# Altium PCB PROC114E3_BRD.PcbDoc (part 2 of 18)
Units mm, origin at the board's own origin, x right, y up, seen from the top; angles counter-clockwise.
Board outline 85 x 155.18 mm, 10 copper layers (TOP, L02_GND1, L03_SIG1, L04_GND2, L05_PWR1, L06_PWR2, L07_GND3, L08_SIG2, L09_GND4, BOTTOM), stack 1.134 mm thick; 1389 components, 1010 nets, 5137 pads, 3263 vias.
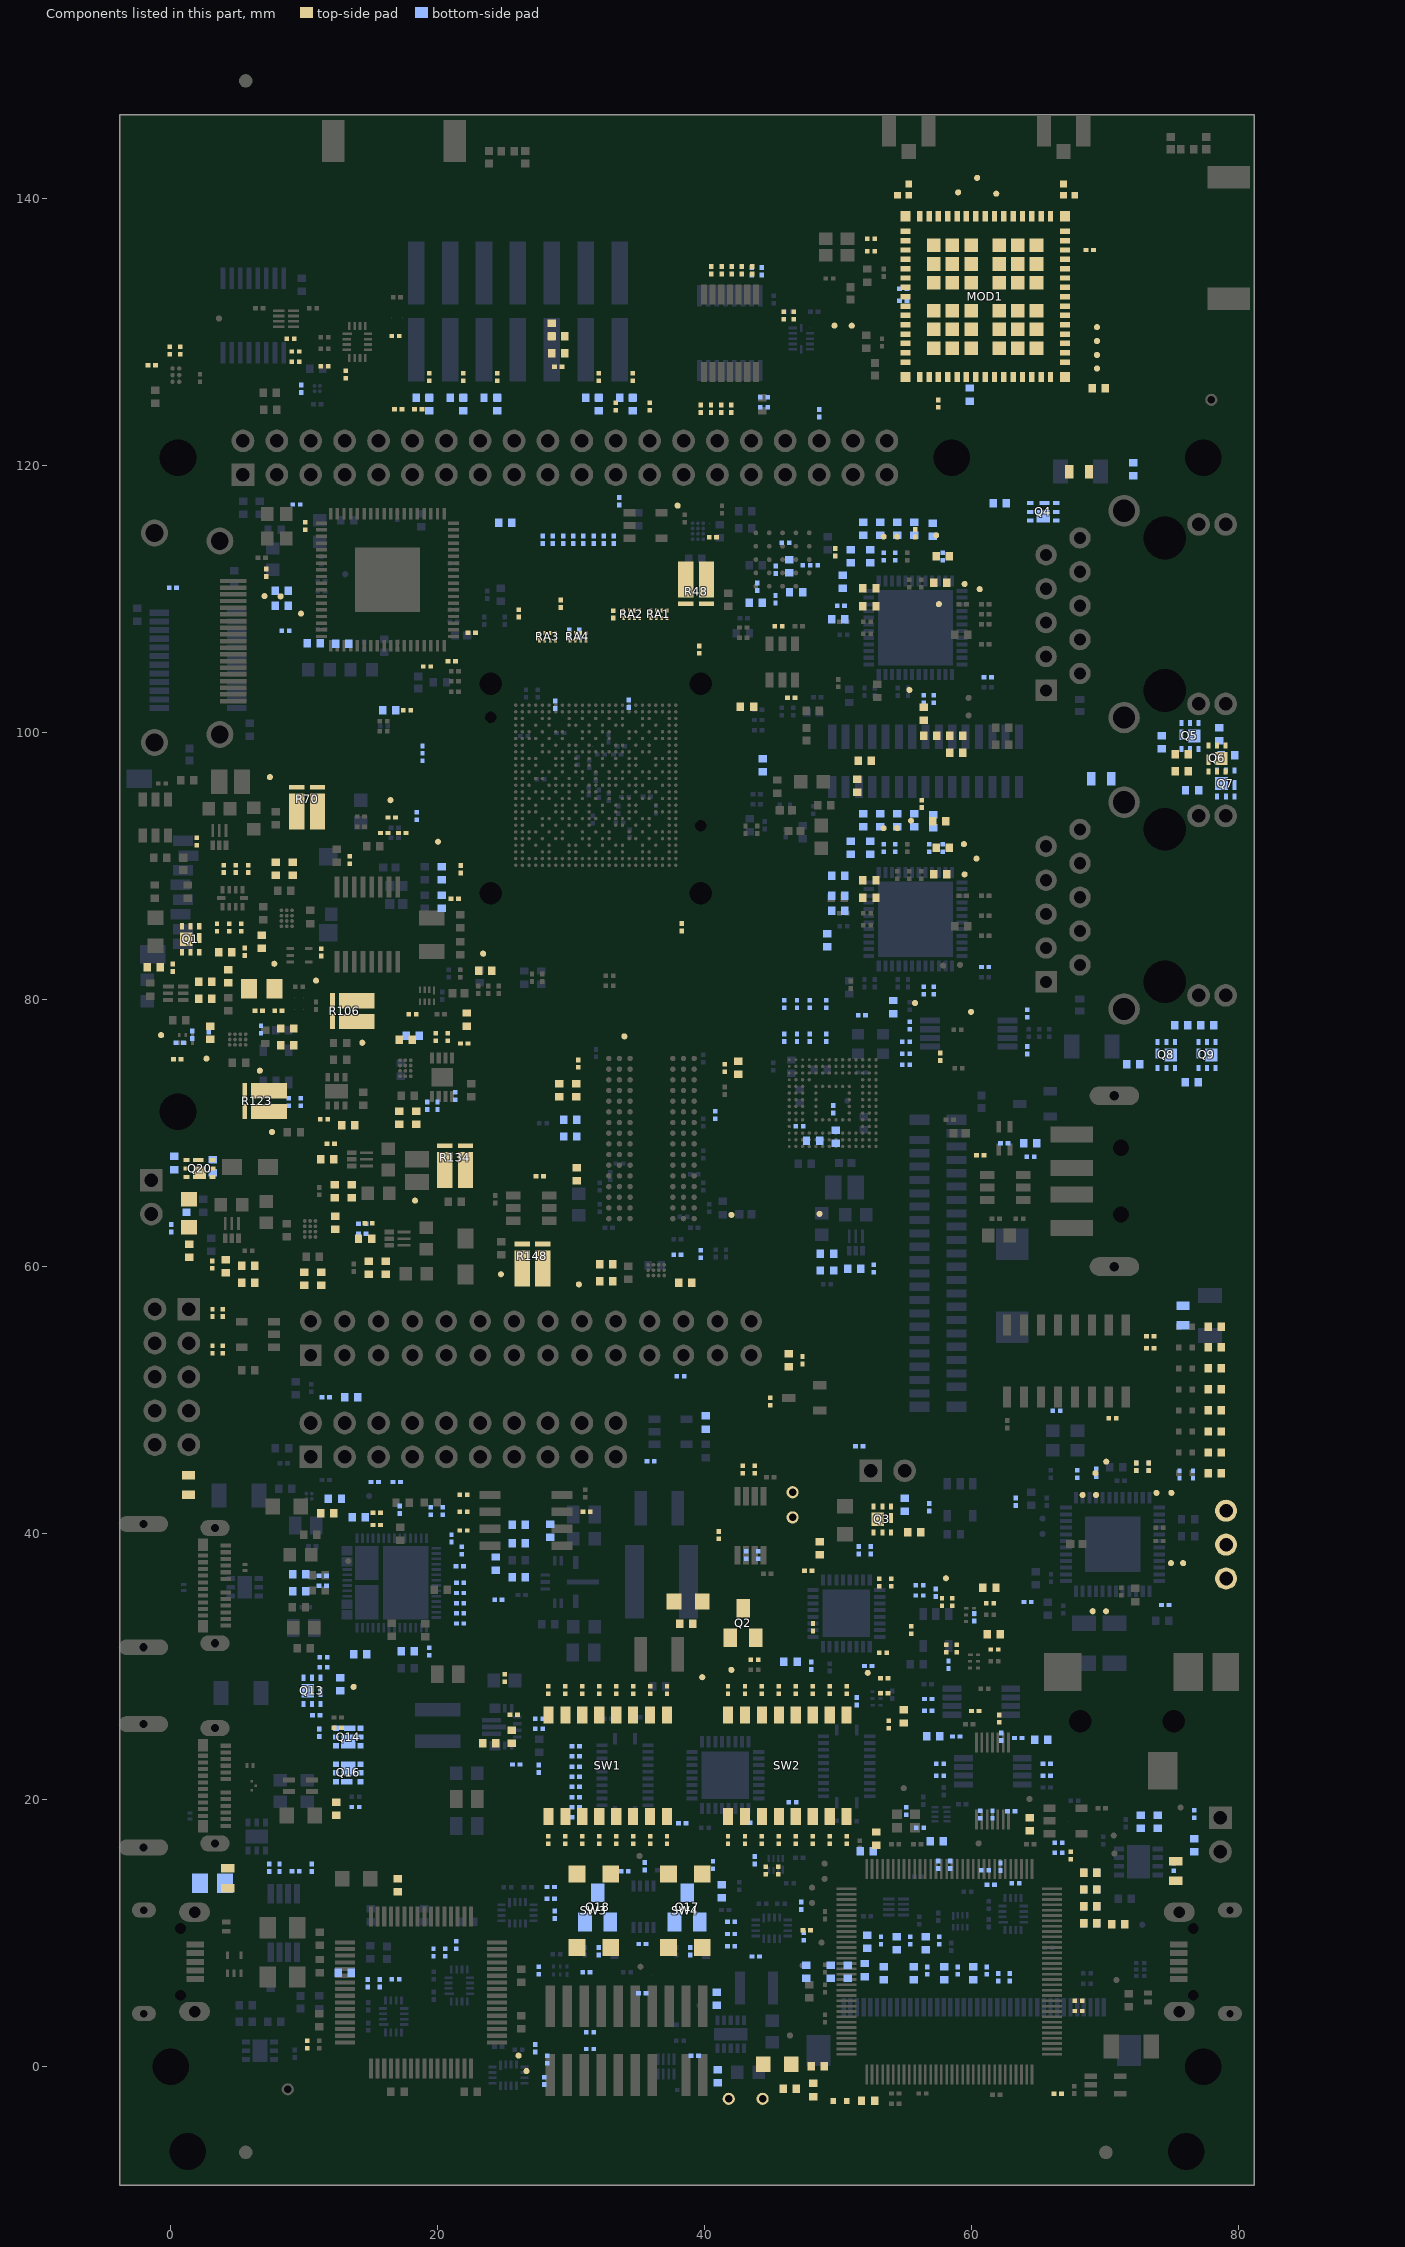
[diagram p10: the components of this part, seen from the top]

## Components (designator, comment, footprint, x,y, rotation, side; value= is the part's Value field where it differs from the comment) (continued)
LD14 "DIODE_LED_LED_150080VS75000_80X" LED_150080VS75000_80X50_SMD_0-8 45.461,0.187 r0 top
LD15 "DIODE_LED_LED_150040GS73220_40X" LED_150040GS73220_40X20_SMD_0-4 50.161,-2.556 r0 top
LD16 "DIODE_LED_LED_150080VS75000_80X" LED_150080VS75000_80X50_SMD_0-8 38.774,34.859 r0 top
LD17 "DIODE_LED_LED_150080VS75000_80X" LED_150080VS75000_80X50_SMD_0-8 1.389,63.953 r270 top
MOD1 "MODULE_WL1837_MOD100_WL1831M_53" MOD100_WL1831M_530X530 61.041,132.654 r180 top
Q1 "MOSFET_CSD17313Q2_WSON6_CSD1320" WSON6_CSD13202Q2_80X80_0-8 1.492,84.5 r90 top
Q2 "MOSFET_IRLML6401TR_TO_SOT23-123" TO_SOT23-123#1 42.902,33.252 r0 top
Q3 "MOSFET_CSD17313Q2_WSON6_CSD1320" WSON6_CSD13202Q2_80X80_0-8 53.334,41.026 r90 top
Q4 "MOSFET_CSD17313Q2_WSON6_CSD1320" WSON6_CSD13202Q2_80X80_0-8 65.393,116.535 r0 bottom
Q5 "MOSFET_CSD17313Q2_WSON6_CSD1320" WSON6_CSD13202Q2_80X80_0-8 76.392,99.736 r90 bottom
Q6 "MOSFET_CSD17313Q2_WSON6_CSD1320" WSON6_CSD13202Q2_80X80_0-8 78.419,98.048 r270 top
Q7 "MOSFET_CSD17313Q2_WSON6_CSD1320" WSON6_CSD13202Q2_80X80_0-8 79.08,96.162 r270 bottom
Q8 "MOSFET_CSD17313Q2_WSON6_CSD1320" WSON6_CSD13202Q2_80X80_0-8 74.617,75.831 r90 bottom
Q9 "MOSFET_CSD17313Q2_WSON6_CSD1320" WSON6_CSD13202Q2_80X80_0-8 77.665,75.831 r90 bottom
Q13 "MOSFET_CSD17313Q2_WSON6_CSD1320" WSON6_CSD13202Q2_80X80_0-8 10.592,28.175 r270 bottom
Q14 "MOSFET_CSD25310Q2_SON6_CSD17313" SON6_CSD17313Q2_80X80 13.31,24.711 r90 bottom
Q16 "MOSFET_CSD25310Q2_SON6_CSD17313" SON6_CSD17313Q2_80X80 13.31,22.018 r270 bottom
Q17 "MOSFET_IRLML6401TR_TO_SOT23-123" TO_SOT23-123#2 38.708,11.948 r0 bottom
Q18 "MOSFET_IRLML6401TR_TO_SOT23-123" TO_SOT23-123#2 32.003,11.948 r0 bottom
Q20 "MOSFET_CSD17313Q2_WSON6_CSD1320" WSON6_CSD13202Q2_80X80_0-8 2.169,67.318 r180 top
R1 "RESISTOR_RES0402_0-5_0E" RES0402_0-5#1 55.317,140.677 r90 top
R2 "RESISTOR_RES0402_0-5_0E" RES0402_0-5#1 66.922,140.677 r90 top
R3 "RESISTOR_RES0402_0-5_0E" RES0402_0-5#1 54.897,140.257 r0 top
R4 "RESISTOR_RES0402_0-5_0E" RES0402_0-5#1 67.343,140.257 r0 top
R5 "RESISTOR_RES0201_0-5_22E_1%" RES0201_0-5#1 52.49,136.992 r0 top
R6 "RESISTOR_RES0201_0-5_10K_1%" RES0201_0-5#1 68.873,136.154 r0 top
R7 "RESISTOR_RES0201_0-5_0E" RES0201_0-5#1 52.49,136.053 r0 top
R8 "RESISTOR_RES0402_0-5_0E" RES0402_0-5#2 29.054,129.692 r180 top
R9 "RESISTOR_RES0402_0-5_0E" RES0402_0-5#2 28.564,130.182 r90 top
R10 "RESISTOR_RES0201_0-5_10K_1%" RES0201_0-5#1 29.054,127.406 r0 top
R11 "RESISTOR_RES0201_0-5_10K" RES0201_0-5#1 8.987,129.492 r180 top
R12 "RESISTOR_RES0402_0-5_49.9K_1%" RES0402_0-5#2 29.054,128.422 r0 top
R13 "RESISTOR_RES0201_0-5_4.7K" RES0201_0-5#1 0.711,128.621 r90 top
R14 "RESISTOR_RES0201_0-5_100K_1%" RES0201_0-5#1 -0.057,128.617 r270 top
R15 "RESISTOR_RES0201_0-5_0E" RES0201_0-5#1 -1.422,127.529 r0 top
R16 "RESISTOR_RES0201_0-5_10K" RES0201_0-5#1 11.524,127.43 r0 top
R17 "RESISTOR_RES0201_0-5_10K" RES0201_0-5#1 13.12,126.832 r270 top
R18 "RESISTOR_RES0201_0-5_10K_1%" RES0201_0-5#1 19.384,126.637 r90 top
R19 "RESISTOR_RES0201_0-5_10K_1%" RES0201_0-5#1 21.924,126.637 r90 top
R20 "RESISTOR_RES0201_0-5_10K_1%" RES0201_0-5#1 24.464,126.637 r90 top
R21 "RESISTOR_RES0201_0-5_10K_1%" RES0201_0-5#1 32.084,126.637 r90 top
R22 "RESISTOR_RES0201_0-5_10K_1%" RES0201_0-5#1 34.624,126.637 r90 top
R23 "RESISTOR_RES0402_0-5_0E" RES0402_0-5#2 69.565,125.791 r180 top
R24 "RESISTOR_RES0201_0-5_33E" RES0201_0-5#1 57.54,124.641 r270 top
R25 "RESISTOR_RES0201_0-5_10K" RES0201_0-5#1 33.357,124.433 r270 top
R26 "RESISTOR_RES0201_0-5_10K" RES0201_0-5#1 35.897,124.433 r270 top
R27 "RESISTOR_RES0201_0-5_10K" RES0201_0-5#1 18.556,124.216 r180 top
R28 "RESISTOR_RES0201_0-5_10K" RES0201_0-5#1 17.054,124.214 r180 top
R29 "RESISTOR_RES0603_0-75_0E" RES0603_0-75#1 68.084,119.543 r180 top
R30 "RESISTOR_RES0201_0-5_4.7K" RES0201_0-5#2 44.474,125.121 r0 bottom
R31 "RESISTOR_RES0201_0-5_4.7K" RES0201_0-5#2 44.474,124.359 r0 bottom
R32 "RESISTOR_RES0201_0-5_0E" RES0201_0-5#1 22.562,107.473 r0 top
R33 "RESISTOR_RES0402_0-5_10E_1%" RES0402_0-5#2 38.688,111.359 r270 bottom
R34 "RESISTOR_RES0201_0-5_0E" RES0201_0-5#1 10.087,115.47 r270 top
R35 "RESISTOR_RES0201_0-5_10K" RES0201_0-5#1 55.805,114.92 r90 top
R36 "RESISTOR_RES0201_0-5_0E" RES0201_0-5#1 40.635,114.629 r180 top
R37 "RESISTOR_RES0402_0-5_10E_1%" RES0402_0-5#2 39.958,111.359 r270 bottom
R38 "RESISTOR_RES0402_0-5_2.49K_1%" RES0402_0-5#2 57.856,113.19 r0 top
R39 "RESISTOR_RES0201_0-5_0E" RES0201_0-5#1 28.818,102.069 r270 bottom
R41 "RESISTOR_RES0201_0-5_10K_1%" RES0201_0-5#1 7.177,111.973 r90 top
R47 "RESISTOR_RES0402_0-5_2.49K_1%" RES0402_0-5#2 57.681,111.215 r0 top
R48 "RESISTOR-4TERM_RES_KRL3216T4_12" RES_KRL3216T4_1206-4_0-7 39.384,111.135 r180 top
R49 "RESISTOR_RES0402_0-5_2.49K_1%" RES0402_0-5#2 52.371,110.799 r180 top
R52 "RESISTOR_RES0201_0-5_0E" RES0201_0-5#1 29.228,109.646 r270 top
R53 "RESISTOR_RES0201_0-5_0E" RES0201_0-5#1 48.216,112.526 r0 bottom
R54 "RESISTOR_RES0402_0-5_2.49K_1%" RES0402_0-5#2 52.371,109.46 r180 top
R55 "RESISTOR_RES0201_0-5_0E" RES0201_0-5#1 30.625,107.396 r270 bottom
R56 "RESISTOR_RES0201_0-5_0E" RES0201_0-5#1 33.166,108.848 r270 top
R57 "RESISTOR_RES0201_0-5_0E" RES0201_0-5#1 26.09,108.923 r90 top
R58 "RESISTOR_RES0201_0-5_10K" RES0201_0-5#1 45.56,107.96 r180 top
R60 "RESISTOR_RES0201_0-5_0E" RES0201_0-5#1 39.628,106.207 r90 top
R61 "RESISTOR_RES0201_0-5_4.7K" RES0201_0-5#1 21.071,105.344 r180 top
R62 "RESISTOR_RES0201_0-5_0E" RES0201_0-5#1 19.215,104.938 r0 top
R63 "RESISTOR_RES0201_0-5_10K" RES0201_0-5#1 46.51,102.603 r180 top
R64 "RESISTOR_RES0402_0-5_0E" RES0402_0-5#2 56.925,99.757 r0 top
R65 "RESISTOR_RES0402_0-5_0E" RES0402_0-5#2 43.194,101.915 r0 top
R66 "RESISTOR_RES0201_0-5_0E" RES0201_0-5#1 17.718,101.648 r0 top
R67 "RESISTOR_RES0402_0-5_499E_0.1%" RES0402_0-5#2 52.029,97.864 r0 top
R68 "RESISTOR_RES0402_0-5_499E_0.1%" RES0402_0-5#2 51.449,95.997 r90 top
R69 "RESISTOR_RES0402_0-5_499E_0.1%" RES0402_0-5#2 44.364,97.547 r270 bottom
R70 "RESISTOR-4TERM_RES_KRL3216T4_12" RES_KRL3216T4_1206-4_0-7 10.225,94.4 r0 top
R71 "RESISTOR_RES0201_0-5_4.7K" RES0201_0-5#1 16.575,93.628 r0 top
R72 "RESISTOR_RES0402_0-5_0E" RES0402_0-5#2 57.59,93.355 r180 top
R73 "RESISTOR_RES0201_0-5_4.7K" RES0201_0-5#1 16.015,92.46 r0 top
R74 "RESISTOR_RES0201_0-5_33E" RES0201_0-5#1 17.362,92.46 r180 top
R75 "RESISTOR_RES0201_0-5_0E" RES0201_0-5#1 1.97,91.821 r270 top
R76 "RESISTOR_RES0402_0-5_2.49K_1%" RES0402_0-5#2 57.856,91.346 r0 top
R77 "RESISTOR_RES0201_0-5_10K" RES0201_0-5#1 13.425,90.434 r90 top
R78 "RESISTOR_RES0402_0-5_10E_1%" RES0402_0-5#2 7.875,89.794 r90 top
R79 "RESISTOR_RES0402_0-5_10E_1%" RES0402_0-5#2 9.145,89.794 r90 top
R80 "RESISTOR_RES0201_0-5_10K" RES0201_0-5#1 3.972,89.774 r90 top
R81 "RESISTOR_RES0201_0-5_10K" RES0201_0-5#1 4.887,89.774 r90 top
R82 "RESISTOR_RES0201_0-5_10K" RES0201_0-5#1 5.801,89.774 r90 top
R83 "RESISTOR_RES0201_0-5_0E" RES0201_0-5#1 21.751,89.747 r90 top
R84 "RESISTOR_RES0402_0-5_2.49K_1%" RES0402_0-5#2 57.681,89.371 r0 top
R85 "RESISTOR_RES0402_0-5_2.49K_1%" RES0402_0-5#2 52.371,88.923 r180 top
R86 "RESISTOR_RES0402_0-5_2.49K_1%" RES0402_0-5#2 52.371,87.616 r180 top
R87 "RESISTOR_RES0201_0-5_0E" RES0201_0-5#1 21.287,87.533 r180 top
R88 "RESISTOR_RES0402_0-5_220E" RES0402_0-5#2 -1.255,82.392 r0 top
R89 "RESISTOR_RES0201_0-5_22E_1%" RES0201_0-5#1 38.292,85.405 r90 top
R90 "RESISTOR_RES0201_0-5_10K" RES0201_0-5#1 3.472,85.379 r270 top
R91 "RESISTOR_RES0201_0-5_10K" RES0201_0-5#1 4.387,85.379 r270 top
R92 "RESISTOR_RES0201_0-5_10K" RES0201_0-5#1 5.301,85.379 r270 top
R93 "RESISTOR_RES0402_0-5_0E" RES0402_0-5#2 6.836,84.325 r270 top
R94 "RESISTOR_RES0201_0-5_10K" RES0201_0-5#1 5.55,83.563 r270 top
R95 "RESISTOR_RES0402_0-5_0E" RES0402_0-5#2 4.098,83.525 r180 top
R96 "RESISTOR_RES0201_0-5_10K" RES0201_0-5#1 11.292,83.517 r270 top
R97 "RESISTOR_RES0201_0-5_10K" RES0201_0-5#1 0.168,82.361 r270 top
R98 "RESISTOR_RES0402_0-5_240E_1%" RES0402_0-5#2 23.585,82.128 r180 top
R99 "RESISTOR_RES0402_0-5_1K_1%" RES0402_0-5#2 4.332,81.722 r90 top
R100 "RESISTOR_RES0402_0-5_0E" RES0402_0-5#2 2.605,81.316 r0 top
R101 "RESISTOR_RES0805_0-75_0E" RES0805_0-75#1 6.824,80.8 r0 top
R102 "RESISTOR_RES0402_0-5_0E" RES0402_0-5#2 58.875,98.487 r180 top
R103 "RESISTOR_RES0402_0-5_0E" RES0402_0-5#2 2.605,80.046 r0 top
R104 "RESISTOR_RES0201_0-5_10K" RES0201_0-5#1 6.603,79.155 r180 top
R105 "RESISTOR_RES0201_0-5_0E" RES0201_0-5#1 8.072,79.155 r0 top
R106 "RESISTOR-4TERM_RES_KRL3216T4_12" RES_KRL3216T4_1206-4_0-7 13.618,79.109 r90 top
R107 "RESISTOR_RES0201_0-5_10K" RES0201_0-5#1 18.123,78.883 r0 top
R108 "RESISTOR_RES0402_0-5_11K_1%" RES0402_0-5#2 22.173,78.484 r270 top
R109 "RESISTOR_RES0402_0-5_10E_1%" RES0402_0-5#2 8.748,77.811 r0 top
R110 "RESISTOR_RES0402_0-5_0E" RES0402_0-5#2 2.968,77.497 r270 top
R111 "RESISTOR_RES0201_0-5_10K" RES0201_0-5#1 19.871,77.177 r90 top
R112 "RESISTOR_RES0201_0-5_10K" RES0201_0-5#1 20.76,77.177 r90 top
R113 "RESISTOR_RES0402_0-5_0E" RES0402_0-5#2 17.62,76.967 r180 top
R114 "RESISTOR_RES0201_0-5_10K" RES0201_0-5#1 22,76.686 r180 top
R115 "RESISTOR_RES0402_0-5_10E_1%" RES0402_0-5#2 8.748,76.541 r0 top
R116 "RESISTOR_RES0201_0-5_0E" RES0201_0-5#1 57.668,75.688 r90 top
R117 "RESISTOR_RES0201_0-5_10K" RES0201_0-5#1 0.5,75.518 r0 top
R118 "RESISTOR_RES0201_0-5_10K" RES0201_0-5#1 30.547,75.179 r90 top
R119 "RESISTOR_RES0201_0-5_2.2K" RES0201_0-5#1 41.52,74.856 r90 top
R120 "RESISTOR_RES0402_0-5_2.2K" RES0402_0-5#2 42.536,74.856 r270 top
R121 "RESISTOR_RES0402_0-5_1K_1%" RES0402_0-5#2 29.119,73.178 r270 top
R122 "RESISTOR_RES0402_0-5_1K_1%" RES0402_0-5#2 30.389,73.178 r90 top
R123 "RESISTOR-4TERM_RES_KRL3216T4_12" RES_KRL3216T4_1206-4_0-7 7.057,72.366 r90 top
R124 "RESISTOR_RES0402_0-5_10E_1%" RES0402_0-5#2 17.147,71.11 r270 top
R125 "RESISTOR_RES0402_0-5_10E_1%" RES0402_0-5#2 18.417,71.11 r270 top
R126 "RESISTOR_RES0201_0-5_0E" RES0201_0-5#1 11.495,71.005 r0 top
R127 "RESISTOR_RES0402_0-5_100K_1%" RES0402_0-5#2 13.298,70.571 r0 top
R129 "RESISTOR_RES0402_0-5_41.2K_1%" RES0402_0-5#2 5.829,60.024 r180 top
R130 "RESISTOR_RES0201_0-5_0E" RES0201_0-5#1 12.003,69.174 r0 top
R132 "RESISTOR_RES0402_0-5_100K_1%" RES0402_0-5#2 11.749,68.006 r180 top
R133 "RESISTOR_RES0402_0-5_100K_1%" RES0402_0-5#2 5.829,58.754 r0 top
R134 "RESISTOR-4TERM_RES_KRL3216T4_12" RES_KRL3216T4_1206-4_0-7 21.325,67.523 r0 top
R135 "RESISTOR_RES0402_0-5_240E_1%" RES0402_0-5#2 30.42,66.899 r270 top
R136 "RESISTOR_RES0402_0-5_100K_1%" RES0402_0-5#2 12.297,65.618 r90 top
R137 "RESISTOR_RES0402_0-5_100K_1%" RES0402_0-5#2 13.567,65.618 r270 top
R140 "RESISTOR_RES0201_0-5_10K" RES0201_0-5#1 27.659,66.737 r180 top
R141 "RESISTOR_RES0201_0-5_0E" RES0201_0-5#1 3.129,60.116 r90 top
R142 "RESISTOR_RES0402_0-5_100K_1%" RES0402_0-5#2 4.145,59.991 r270 top
R143 "RESISTOR_RES0201_0-5_0E" RES0201_0-5#1 14.822,63.231 r0 top
R144 "RESISTOR_RES0402_0-5_100K_1%" RES0402_0-5#2 14.568,62.062 r180 top
R145 "RESISTOR_RES0402_0-5_10E_1%" RES0402_0-5#2 10.006,59.063 r270 top
R146 "RESISTOR_RES0402_0-5_0E" RES0402_0-5#2 12.324,63.242 r270 top
R147 "RESISTOR_RES0402_0-5_10E_1%" RES0402_0-5#2 11.276,59.063 r270 top
R148 "RESISTOR-4TERM_RES_KRL3216T4_12" RES_KRL3216T4_1206-4_0-7 27.116,60.157 r0 top
R149 "RESISTOR_RES0402_0-5_10E_1%" RES0402_0-5#2 32.658,60.144 r180 top
R150 "RESISTOR_RES0402_0-5_41.2K_1%" RES0402_0-5#2 14.863,59.878 r90 top
R151 "RESISTOR_RES0402_0-5_100K_1%" RES0402_0-5#2 16.133,59.878 r270 top
R152 "RESISTOR_RES0201_0-5_3.4K_1%" RES0201_0-5#1 44.948,49.85 r270 top
R153 "RESISTOR_RES0402_0-5_16.5K_1%" RES0402_0-5#2 46.338,52.946 r270 top
R154 "RESISTOR_RES0402_0-5_0E" RES0402_0-5#2 38.571,58.76 r0 top
R155 "RESISTOR_RES0402_0-5_10E_1%" RES0402_0-5#2 32.658,58.874 r180 top
R156 "RESISTOR_RES0201_0-5_10K_1%" RES0201_0-5#1 47.354,52.946 r270 top
R157 "RESISTOR_RES0201_0-5_0E" RES0201_0-5#1 3.138,56.499 r90 top
R158 "RESISTOR_RES0201_0-5_0E" RES0201_0-5#1 3.9,56.499 r90 top
R159 "RESISTOR_RES0402_0-5_220E" RES0402_0-5#2 78.246,55.458 r180 top
R160 "RESISTOR_RES0201_0-5_10K" RES0201_0-5#1 73.407,54.747 r0 top
R161 "RESISTOR_RES0402_0-5_220E" RES0402_0-5#2 78.246,53.909 r180 top
R162 "RESISTOR_RES0201_0-5_10K" RES0201_0-5#1 73.407,53.858 r0 top
R163 "RESISTOR_RES0201_0-5_0E" RES0201_0-5#1 3.138,53.757 r90 top
R164 "RESISTOR_RES0201_0-5_0E" RES0201_0-5#1 3.9,53.757 r90 top
R165 "RESISTOR_RES0201_0-5_4.7K" RES0201_0-5#1 55.503,32.724 r270 top
R166 "RESISTOR_RES0402_0-5_220E" RES0402_0-5#2 78.246,52.334 r180 top
R167 "RESISTOR_RES0402_0-5_220E" RES0402_0-5#2 78.246,50.759 r180 top
R168 "RESISTOR_RES0402_0-5_220E" RES0402_0-5#2 78.246,49.185 r180 top
R169 "RESISTOR_RES0201_0-5_10K" RES0201_0-5#1 70.588,48.588 r0 top
R170 "RESISTOR_RES0402_0-5_220E" RES0402_0-5#2 78.246,47.61 r180 top
R171 "RESISTOR_RES0402_0-5_220E" RES0402_0-5#2 78.246,46.035 r180 top
R172 "RESISTOR_RES0201_0-5_10K" RES0201_0-5#1 72.379,44.968 r90 top
R173 "RESISTOR_RES0201_0-5_10K" RES0201_0-5#1 73.293,44.968 r90 top
R175 "RESISTOR_RES0402_0-5_220E" RES0402_0-5#2 78.246,44.486 r180 top
R176 "RESISTOR_RES0201_0-5_10K" RES0201_0-5#1 9.353,128.551 r0 top
R177 "RESISTOR_RES0201_0-5_10K" RES0201_0-5#1 21.939,42.86 r0 top
R178 "RESISTOR_RES0603_0-75_0E" RES0603_0-75#1 1.335,43.597 r90 top
R179 "RESISTOR_RES0201_0-5_10K" RES0201_0-5#1 21.939,41.59 r0 top
R180 "RESISTOR_RES0201_0-5_10K" RES0201_0-5#1 31.175,41.59 r180 top
R181 "RESISTOR_RES0201_0-5_10K" RES0201_0-5#1 15.45,41.514 r0 top
R182 "RESISTOR_RES0402_0-5_1K_1%" RES0402_0-5#2 11.736,41.488 r180 top
R184 "RESISTOR_RES0201_0-5_10K" RES0201_0-5#1 15.45,40.599 r0 top
R185 "RESISTOR_RES0201_0-5_10K" RES0201_0-5#1 21.939,40.193 r0 top
R187 "RESISTOR_RES0201_0-5_10K" RES0201_0-5#1 47.782,37.159 r0 top
R188 "RESISTOR_RES0402_0-5_220E" RES0402_0-5#2 48.642,38.865 r270 top
R189 "RESISTOR_RES0402_0-5_0E" RES0402_0-5#2 61.365,35.894 r180 top
R190 "RESISTOR_RES0201_0-5_10K" RES0201_0-5#1 57.809,34.827 r90 top
R191 "RESISTOR_RES0201_0-5_10K" RES0201_0-5#1 58.571,34.827 r90 top
R192 "RESISTOR_RES0201_0-5_10K" RES0201_0-5#1 61.412,34.751 r0 top
R193 "RESISTOR_RES0201_0-5_10K" RES0201_0-5#1 48.142,32.942 r270 top
R194 "RESISTOR_RES0402_0-5_0E" RES0402_0-5#2 61.694,32.414 r180 top
R195 "RESISTOR_RES0201_0-5_10K" RES0201_0-5#1 58.138,31.347 r90 top
R196 "RESISTOR_RES0201_0-5_10K" RES0201_0-5#1 58.9,31.347 r90 top
R197 "RESISTOR_RES0201_0-5_10K" RES0201_0-5#1 61.741,31.271 r0 top
R198 "RESISTOR_RES0402_0-5_0E" RES0402_0-5#2 55.73,40.051 r180 top
R199 "RESISTOR_RES0201_0-5_10K" RES0201_0-5#1 53.393,31.034 r0 top
R200 "RESISTOR_RES0201_0-5_10K" RES0201_0-5#1 43.752,30.51 r180 top
R201 "RESISTOR_RES0201_0-5_4.7K" RES0201_0-5#1 53.482,29.128 r0 top
R202 "RESISTOR_RES0201_0-5_100K_1%" RES0201_0-5#1 37.2,28.23 r90 top
R203 "RESISTOR_RES0201_0-5_100K_1%" RES0201_0-5#1 35.93,28.23 r90 top
R204 "RESISTOR_RES0201_0-5_100K_1%" RES0201_0-5#1 34.66,28.23 r90 top
R205 "RESISTOR_RES0201_0-5_100K_1%" RES0201_0-5#1 33.39,28.23 r90 top
R206 "RESISTOR_RES0201_0-5_100K_1%" RES0201_0-5#1 32.12,28.23 r90 top
R207 "RESISTOR_RES0201_0-5_100K_1%" RES0201_0-5#1 30.85,28.23 r90 top
R208 "RESISTOR_RES0201_0-5_100K_1%" RES0201_0-5#1 29.58,28.23 r90 top
R209 "RESISTOR_RES0201_0-5_100K_1%" RES0201_0-5#1 28.31,28.23 r90 top
R210 "RESISTOR_RES0201_0-5_100K_1%" RES0201_0-5#1 50.662,28.23 r90 top
R211 "RESISTOR_RES0201_0-5_100K_1%" RES0201_0-5#1 49.392,28.23 r90 top
R212 "RESISTOR_RES0201_0-5_100K_1%" RES0201_0-5#1 48.122,28.23 r90 top
R213 "RESISTOR_RES0201_0-5_100K_1%" RES0201_0-5#1 46.852,28.23 r90 top
R214 "RESISTOR_RES0201_0-5_100K_1%" RES0201_0-5#1 45.582,28.23 r90 top
R215 "RESISTOR_RES0201_0-5_100K_1%" RES0201_0-5#1 44.312,28.23 r90 top
R216 "RESISTOR_RES0201_0-5_100K_1%" RES0201_0-5#1 43.042,28.23 r90 top
R217 "RESISTOR_RES0201_0-5_100K_1%" RES0201_0-5#1 41.772,28.23 r90 top
R218 "RESISTOR_RES0201_0-5_10K" RES0201_0-5#1 41.089,39.842 r270 top
R219 "RESISTOR_RES0603_0-75_0E" RES0603_0-75#1 4.281,14.133 r270 top
R220 "RESISTOR_RES0201_0-5_10K" RES0201_0-5#1 53.482,28.007 r180 top
R221 "RESISTOR_RES0201_0-5_0E" RES0201_0-5#1 53.828,25.644 r90 top
R222 "RESISTOR_RES0402_0-5_0E" RES0402_0-5#2 54.924,26.252 r90 top
R223 "RESISTOR_RES0201_0-5_10K_1%" RES0201_0-5#1 12.524,25.41 r180 top
R224 "RESISTOR_RES0201_0-5_0E" RES0201_0-5#1 62.253,24.729 r270 bottom
R225 "RESISTOR_RES0201_0-5_0E" RES0201_0-5#1 60.679,18.905 r270 bottom
R226 "RESISTOR_RES0201_0-5_0E" RES0201_0-5#1 61.594,18.905 r270 bottom
R227 "RESISTOR_RES0402_0-5_1K_1%" RES0402_0-5#2 12.404,19.327 r270 top
R228 "RESISTOR_RES0402_0-5_49.9E_1%" RES0402_0-5#2 64.387,18.186 r90 top
R229 "RESISTOR_RES0201_0-5_0E" RES0201_0-5#1 60.296,26.665 r180 top
R230 "RESISTOR_RES0201_0-5_0E" RES0201_0-5#1 62.098,26.09 r90 top
R231 "RESISTOR_RES0201_0-5_0E" RES0201_0-5#1 55.118,19.175 r90 bottom
R232 "RESISTOR_RES0201_0-5_0E" RES0201_0-5#1 62.992,19.152 r0 bottom
R235 "RESISTOR_RES0402_0-5_0E" RES0402_0-5#2 52.871,17.104 r90 top
R236 "RESISTOR_RES0201_0-5_1.1K_1%" RES0201_0-5#1 37.2,17.002 r270 top
R237 "RESISTOR_RES0201_0-5_1.1K_1%" RES0201_0-5#1 35.93,17.002 r270 top
R238 "RESISTOR_RES0201_0-5_1.1K_1%" RES0201_0-5#1 34.66,17.002 r270 top
R239 "RESISTOR_RES0201_0-5_1.1K_1%" RES0201_0-5#1 33.39,17.002 r270 top
R240 "RESISTOR_RES0201_0-5_1.1K_1%" RES0201_0-5#1 32.12,17.002 r270 top
R241 "RESISTOR_RES0201_0-5_1.1K_1%" RES0201_0-5#1 30.85,17.002 r270 top
R242 "RESISTOR_RES0201_0-5_1.1K_1%" RES0201_0-5#1 29.58,17.002 r270 top
R243 "RESISTOR_RES0201_0-5_1.1K_1%" RES0201_0-5#1 28.31,17.002 r270 top
R244 "RESISTOR_RES0201_0-5_1.1K_1%" RES0201_0-5#1 50.662,17.002 r270 top
R245 "RESISTOR_RES0201_0-5_1.1K_1%" RES0201_0-5#1 49.392,17.002 r270 top
R246 "RESISTOR_RES0201_0-5_1.1K_1%" RES0201_0-5#1 48.122,17.002 r270 top
R247 "RESISTOR_RES0201_0-5_1.1K_1%" RES0201_0-5#1 46.852,17.002 r270 top
R248 "RESISTOR_RES0201_0-5_1.1K_1%" RES0201_0-5#1 45.582,17.002 r270 top
R249 "RESISTOR_RES0201_0-5_1.1K_1%" RES0201_0-5#1 44.312,17.002 r270 top
R250 "RESISTOR_RES0201_0-5_1.1K_1%" RES0201_0-5#1 43.042,17.002 r270 top
R251 "RESISTOR_RES0201_0-5_1.1K_1%" RES0201_0-5#1 41.772,17.002 r270 top
R252 "RESISTOR_RES0201_0-5_10K" RES0201_0-5#1 67.458,15.836 r90 top
R253 "RESISTOR_RES0201_0-5_10K" RES0201_0-5#1 44.611,14.705 r270 top
R254 "RESISTOR_RES0201_0-5_10K" RES0201_0-5#1 45.526,14.705 r270 top
R255 "RESISTOR_RES0402_0-5_1K_1%" RES0402_0-5#2 68.924,14.554 r180 top
R256 "RESISTOR_RES0603_0-75_0E" RES0603_0-75#1 75.325,14.666 r270 top
R257 "RESISTOR_RES0402_0-5_220E" RES0402_0-5#2 17.009,13.599 r90 top
R258 "RESISTOR_RES0402_0-5_1K_1%" RES0402_0-5#2 68.924,13.284 r180 top
R259 "RESISTOR_RES0402_0-5_1K_1%" RES0402_0-5#2 68.924,12.014 r180 top
R260 "RESISTOR_RES0402_0-5_1K_1%" RES0402_0-5#2 68.924,10.744 r180 top
R261 "RESISTOR_RES0402_4.87K_1%" RES0402 71.006,10.686 r0 top
R262 "RESISTOR_RES0201_0-5_4.7K" RES0201_0-5#1 47.664,10.221 r0 top
R264 "RESISTOR_RES0201_0-5_4.7K" RES0201_0-5#1 68.035,4.938 r180 top
R265 "RESISTOR_RES0201_0-5_4.7K" RES0201_0-5#1 68.035,4.176 r180 top
R266 "RESISTOR_RES0201_0-5_10K_1%" RES0201_0-5#1 10.25,1.661 r270 top
R267 "RESISTOR_RES0402_0-5_220E" RES0402_0-5#2 48.503,0.036 r180 top
R268 "RESISTOR_RES0402_0-5_30K" RES0402_0-5#2 46.394,-1.633 r0 top
R269 "RESISTOR_RES0402_0-5_20K_1%" RES0402_0-5#2 48.172,-1.742 r270 top
R270 "RESISTOR_RES0201_0-5_4.7K" RES0201_0-5#1 66.486,-2.011 r0 top
R271 "RESISTOR_RES0402_0-5_220E" RES0402_0-5#2 52.266,-2.556 r180 top
R272 "RESISTOR_RES0201_0-5_10K_1%" RES0201_0-5#1 54.903,133.259 r0 bottom
R273 "RESISTOR_RES0201_0-5_10K_1%" RES0201_0-5#2 54.903,132.344 r0 bottom
R274 "RESISTOR_RES0201_0-5_100K_1%" RES0201_0-5#1 9.799,125.765 r90 bottom
R275 "RESISTOR_RES0402_0-5_0E" RES0402_0-5#2 34.134,125.099 r0 bottom
R276 "RESISTOR_RES0402_0-5_0E" RES0402_0-5#2 31.594,125.099 r0 bottom
R277 "RESISTOR_RES0402_0-5_0E" RES0402_0-5#2 23.974,125.099 r0 bottom
R278 "RESISTOR_RES0402_0-5_0E" RES0402_0-5#2 21.434,125.099 r0 bottom
R279 "RESISTOR_RES0402_0-5_0E" RES0402_0-5#2 18.894,125.099 r0 bottom
R280 "RESISTOR_RES0402_0-5_0E" RES0402_0-5#2 34.624,124.609 r90 bottom
R281 "RESISTOR_RES0402_0-5_0E" RES0402_0-5#2 32.084,124.609 r90 bottom
R282 "RESISTOR_RES0402_0-5_0E" RES0402_0-5#2 24.464,124.609 r90 bottom
R283 "RESISTOR_RES0402_0-5_0E" RES0402_0-5#2 21.924,124.609 r90 bottom
R284 "RESISTOR_RES0402_0-5_0E" RES0402_0-5#2 19.384,124.609 r90 bottom
R285 "RESISTOR_RES0201_0-5_10K" RES0201_0-5#1 48.597,123.925 r270 bottom
R286 "RESISTOR_RES0402_0-5_220E" RES0402_0-5#2 72.126,119.718 r270 bottom
R287 "RESISTOR_RES0201_0-5_0E" RES0201_0-5#1 9.437,117.079 r0 bottom
R288 "RESISTOR_RES0402_0-5_220E" RES0402_0-5#2 78.576,99.858 r270 bottom
R289 "RESISTOR_RES0402_0-5_0E" RES0402_0-5#2 62.144,117.185 r0 bottom
R290 "RESISTOR_RES0402_0-5_0E" RES0402_0-5#3 25.085,115.708 r0 bottom
R291 "RESISTOR_RES0402_0-5_2.49K_1%" RES0402_0-5#2 55.716,115.262 r90 bottom
R292 "RESISTOR_RES0402_0-5_2.49K_1%" RES0402_0-5#2 54.446,115.262 r270 bottom
R293 "RESISTOR_RES0402_0-5_2.49K_1%" RES0402_0-5#2 53.176,115.262 r270 bottom
R294 "RESISTOR_RES0402_0-5_2.49K_1%" RES0402_0-5#2 51.906,115.262 r90 bottom
R295 "RESISTOR_RES0402_0-5_2.49K_1%" RES0402_0-5#2 57.12,115.192 r270 bottom
R296 "RESISTOR_RES0201_0-5_10K" RES0201_0-5#1 33.618,117.32 r90 bottom
R297 "RESISTOR_RES0201_0-5_10K" RES0201_0-5#2 46.077,114.212 r0 bottom
R298 "RESISTOR_RES0402_0-5_5.76K_1%" RES0402_0-5#2 52.414,113.212 r270 bottom
R299 "RESISTOR_RES0402_0-5_2.49K_1%" RES0402_0-5#2 50.966,113.212 r270 bottom
R300 "RESISTOR_RES0201_0-5_10K" RES0201_0-5#1 57.875,113.184 r90 bottom